# Altium PCB PROB_S7CAS_PCB.PcbDoc (part 1 of 6) (continued)
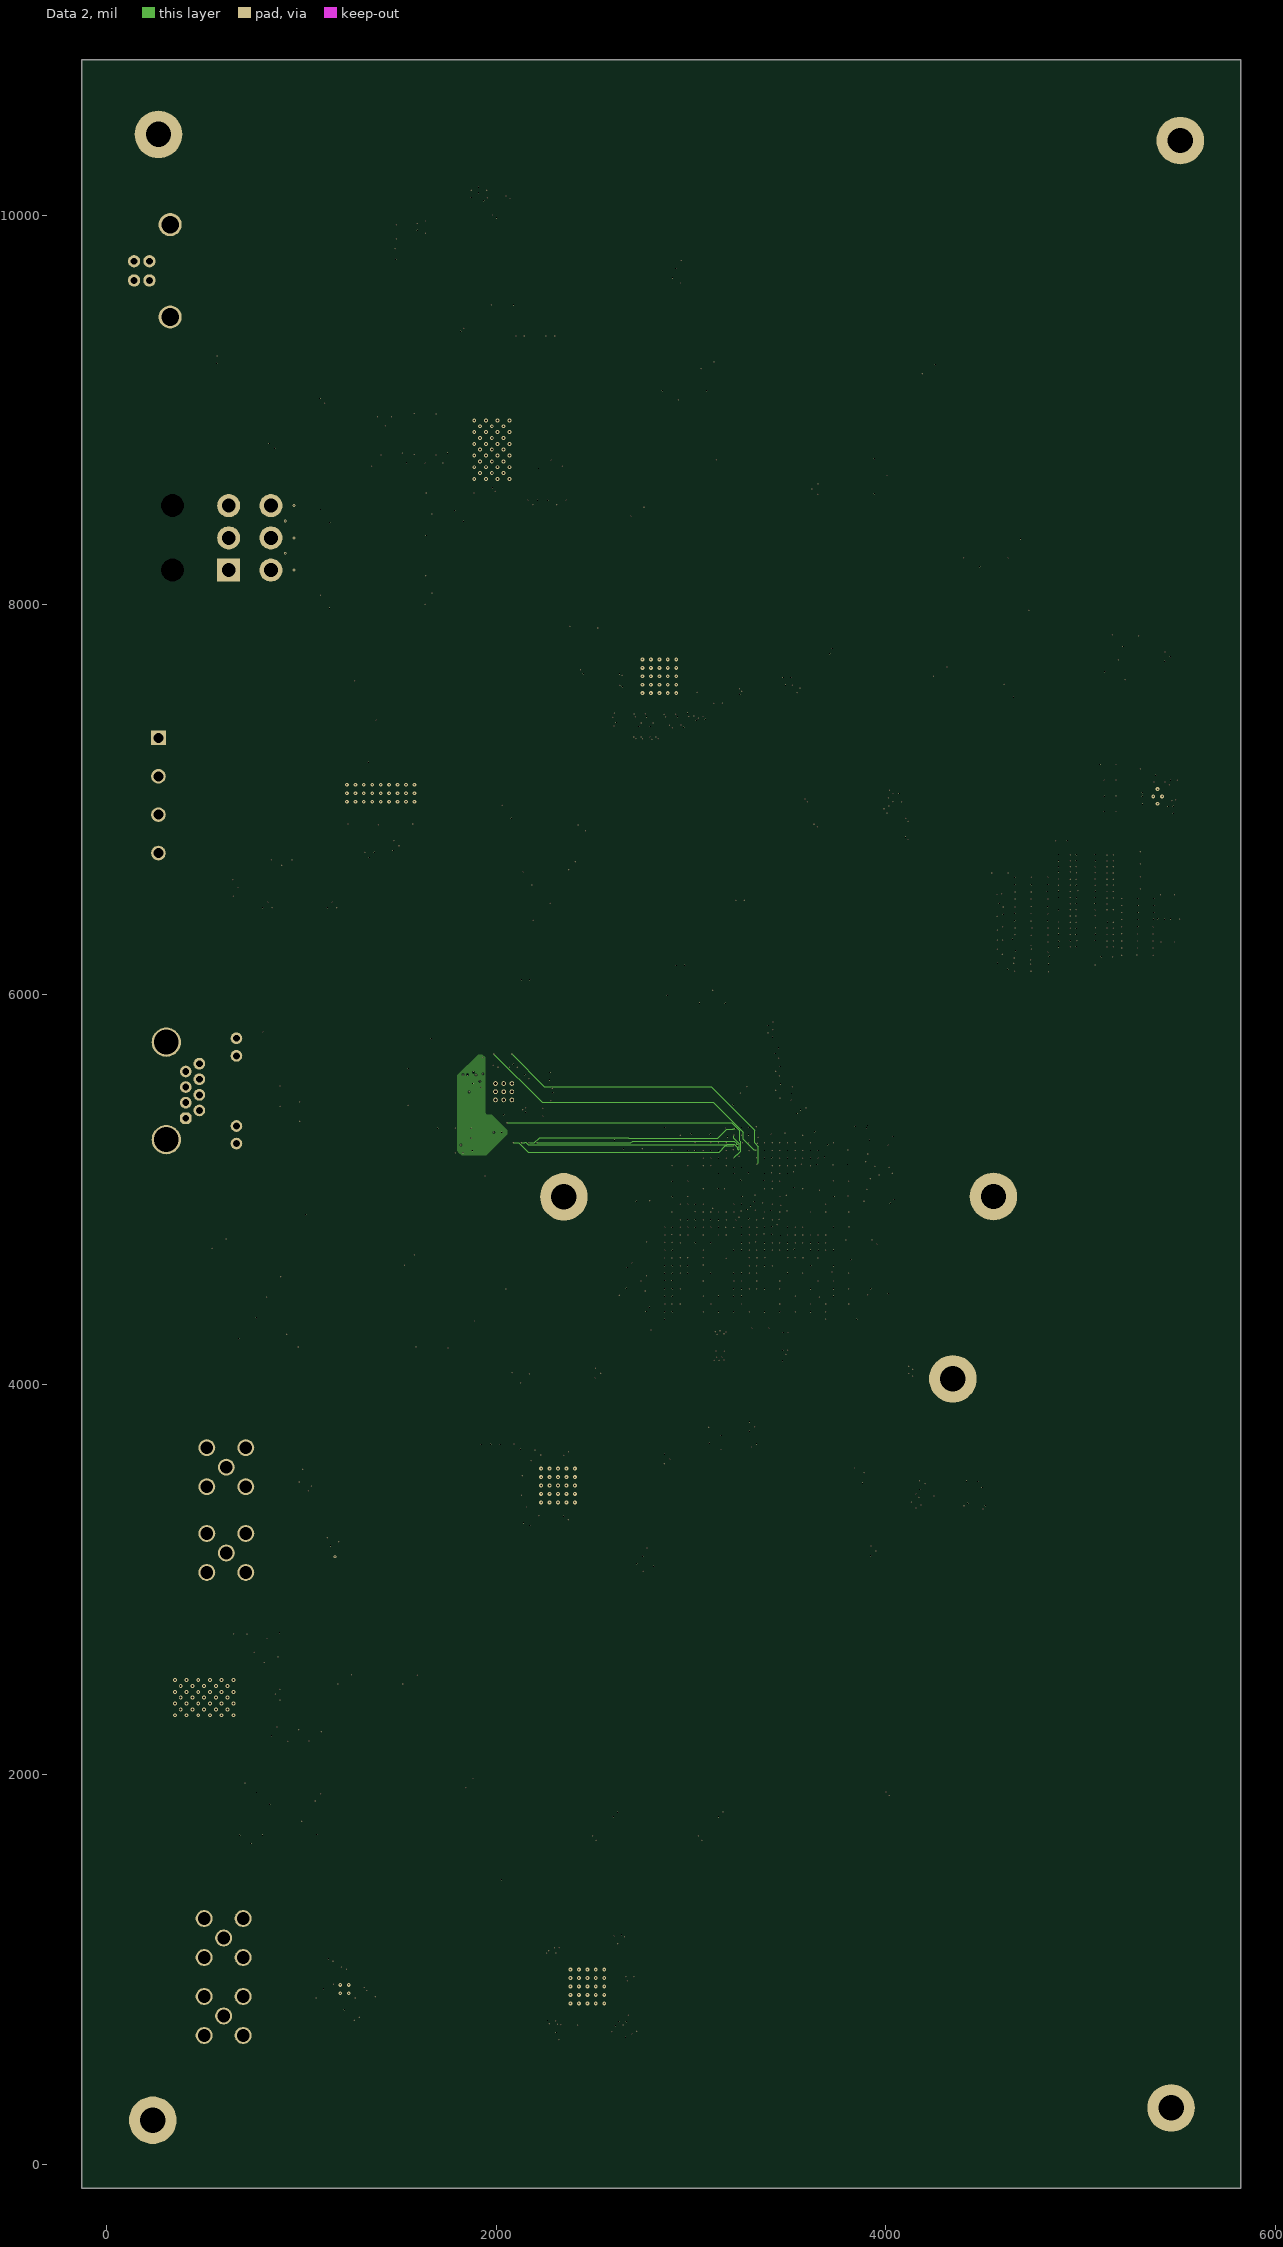
[diagram p5: Data 2]
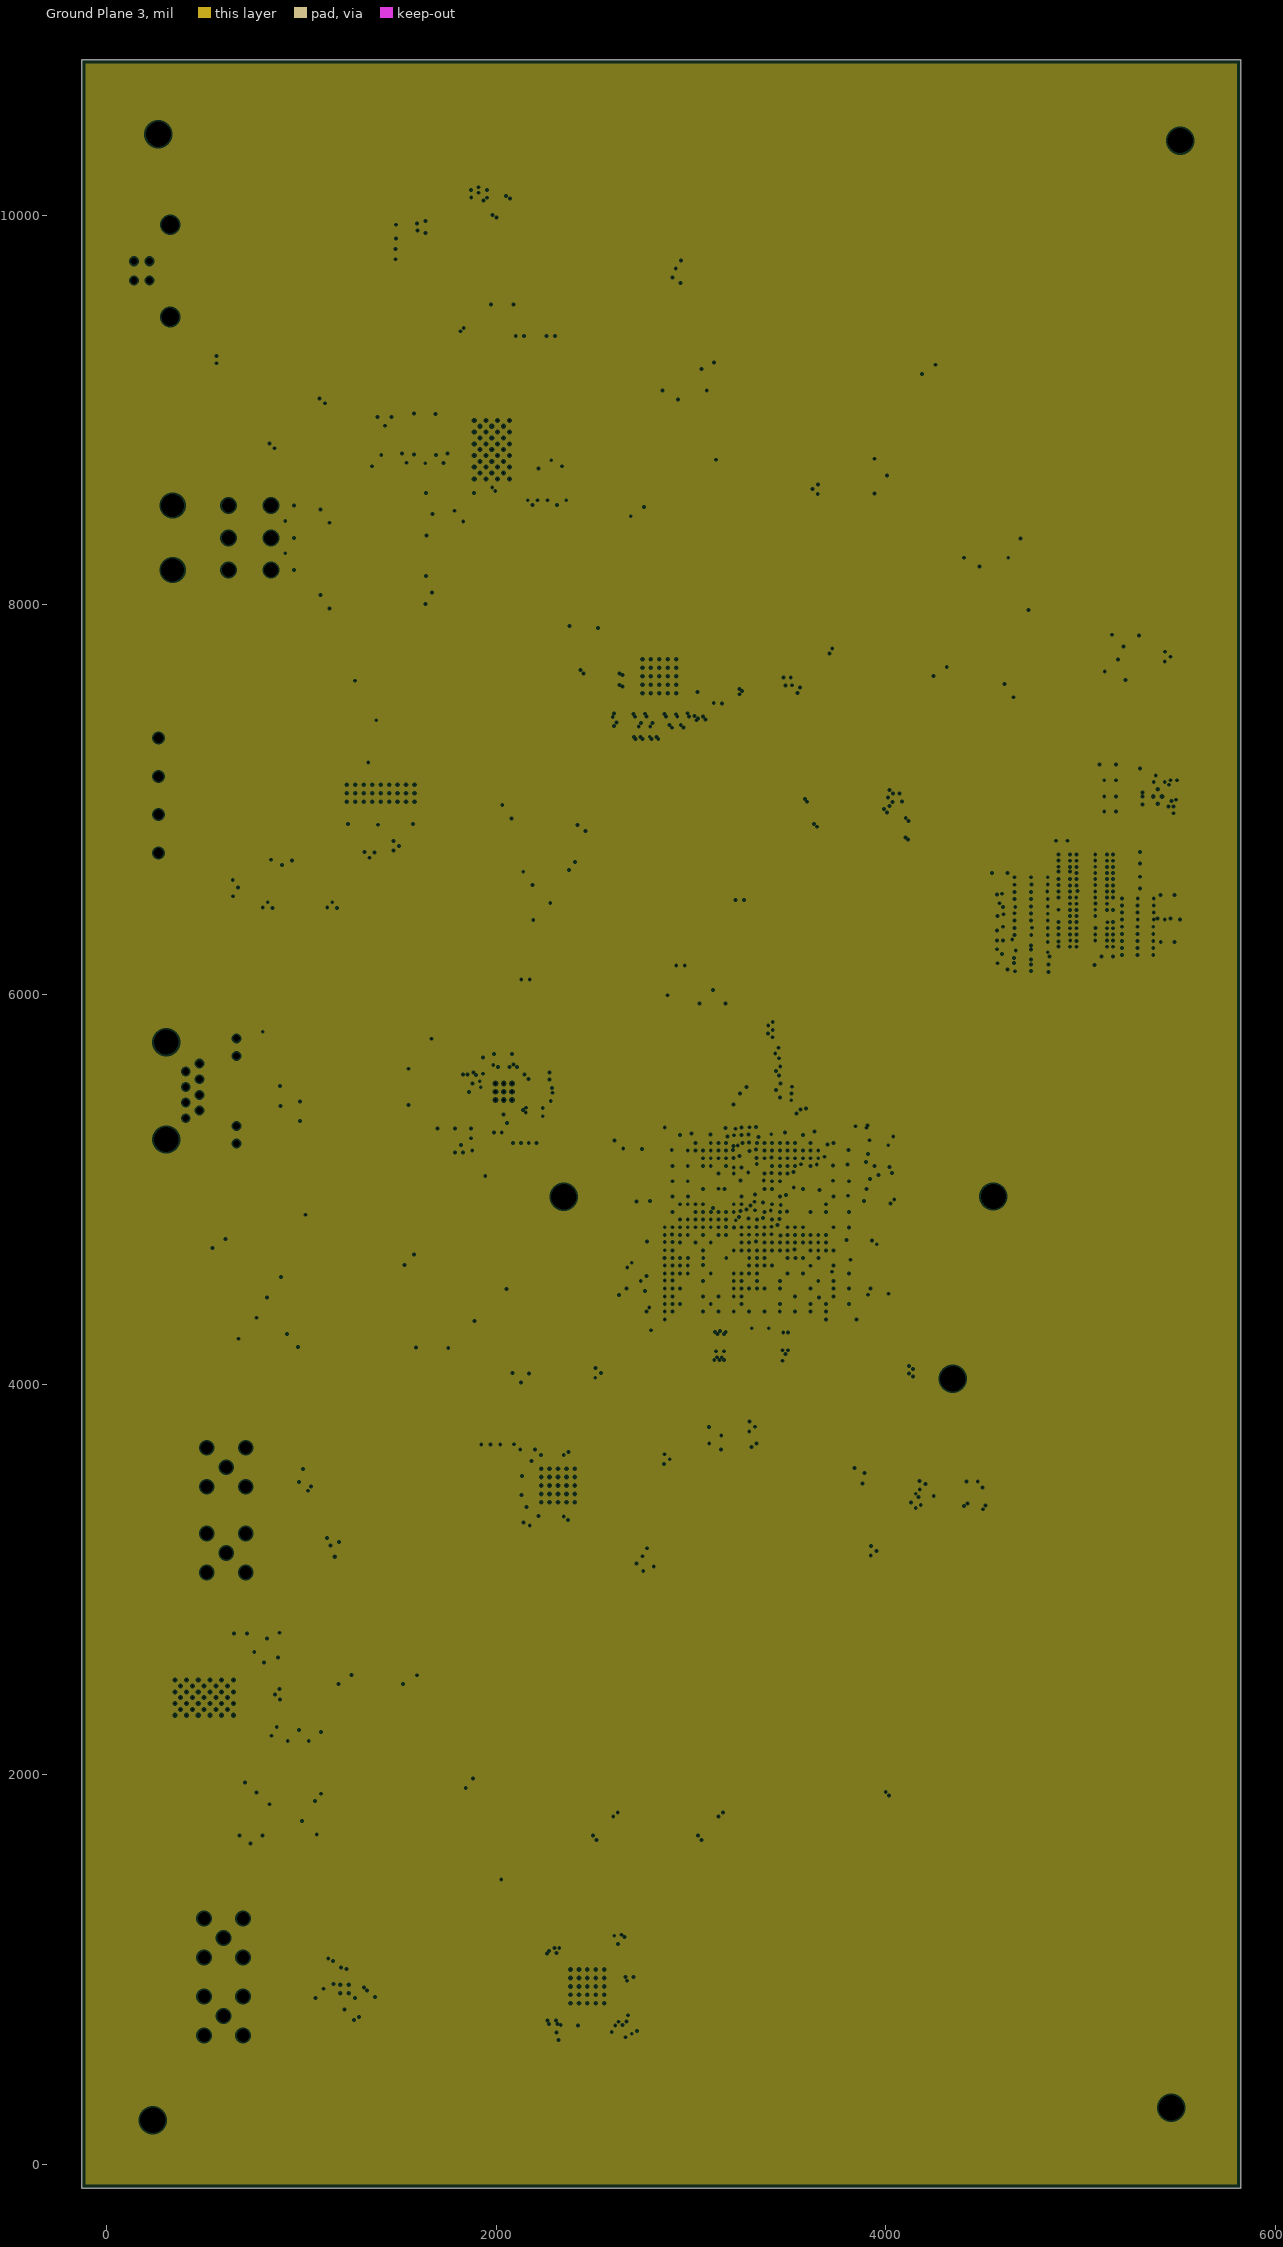
[diagram p6: Ground Plane 3, clearances drawn from the general rule]
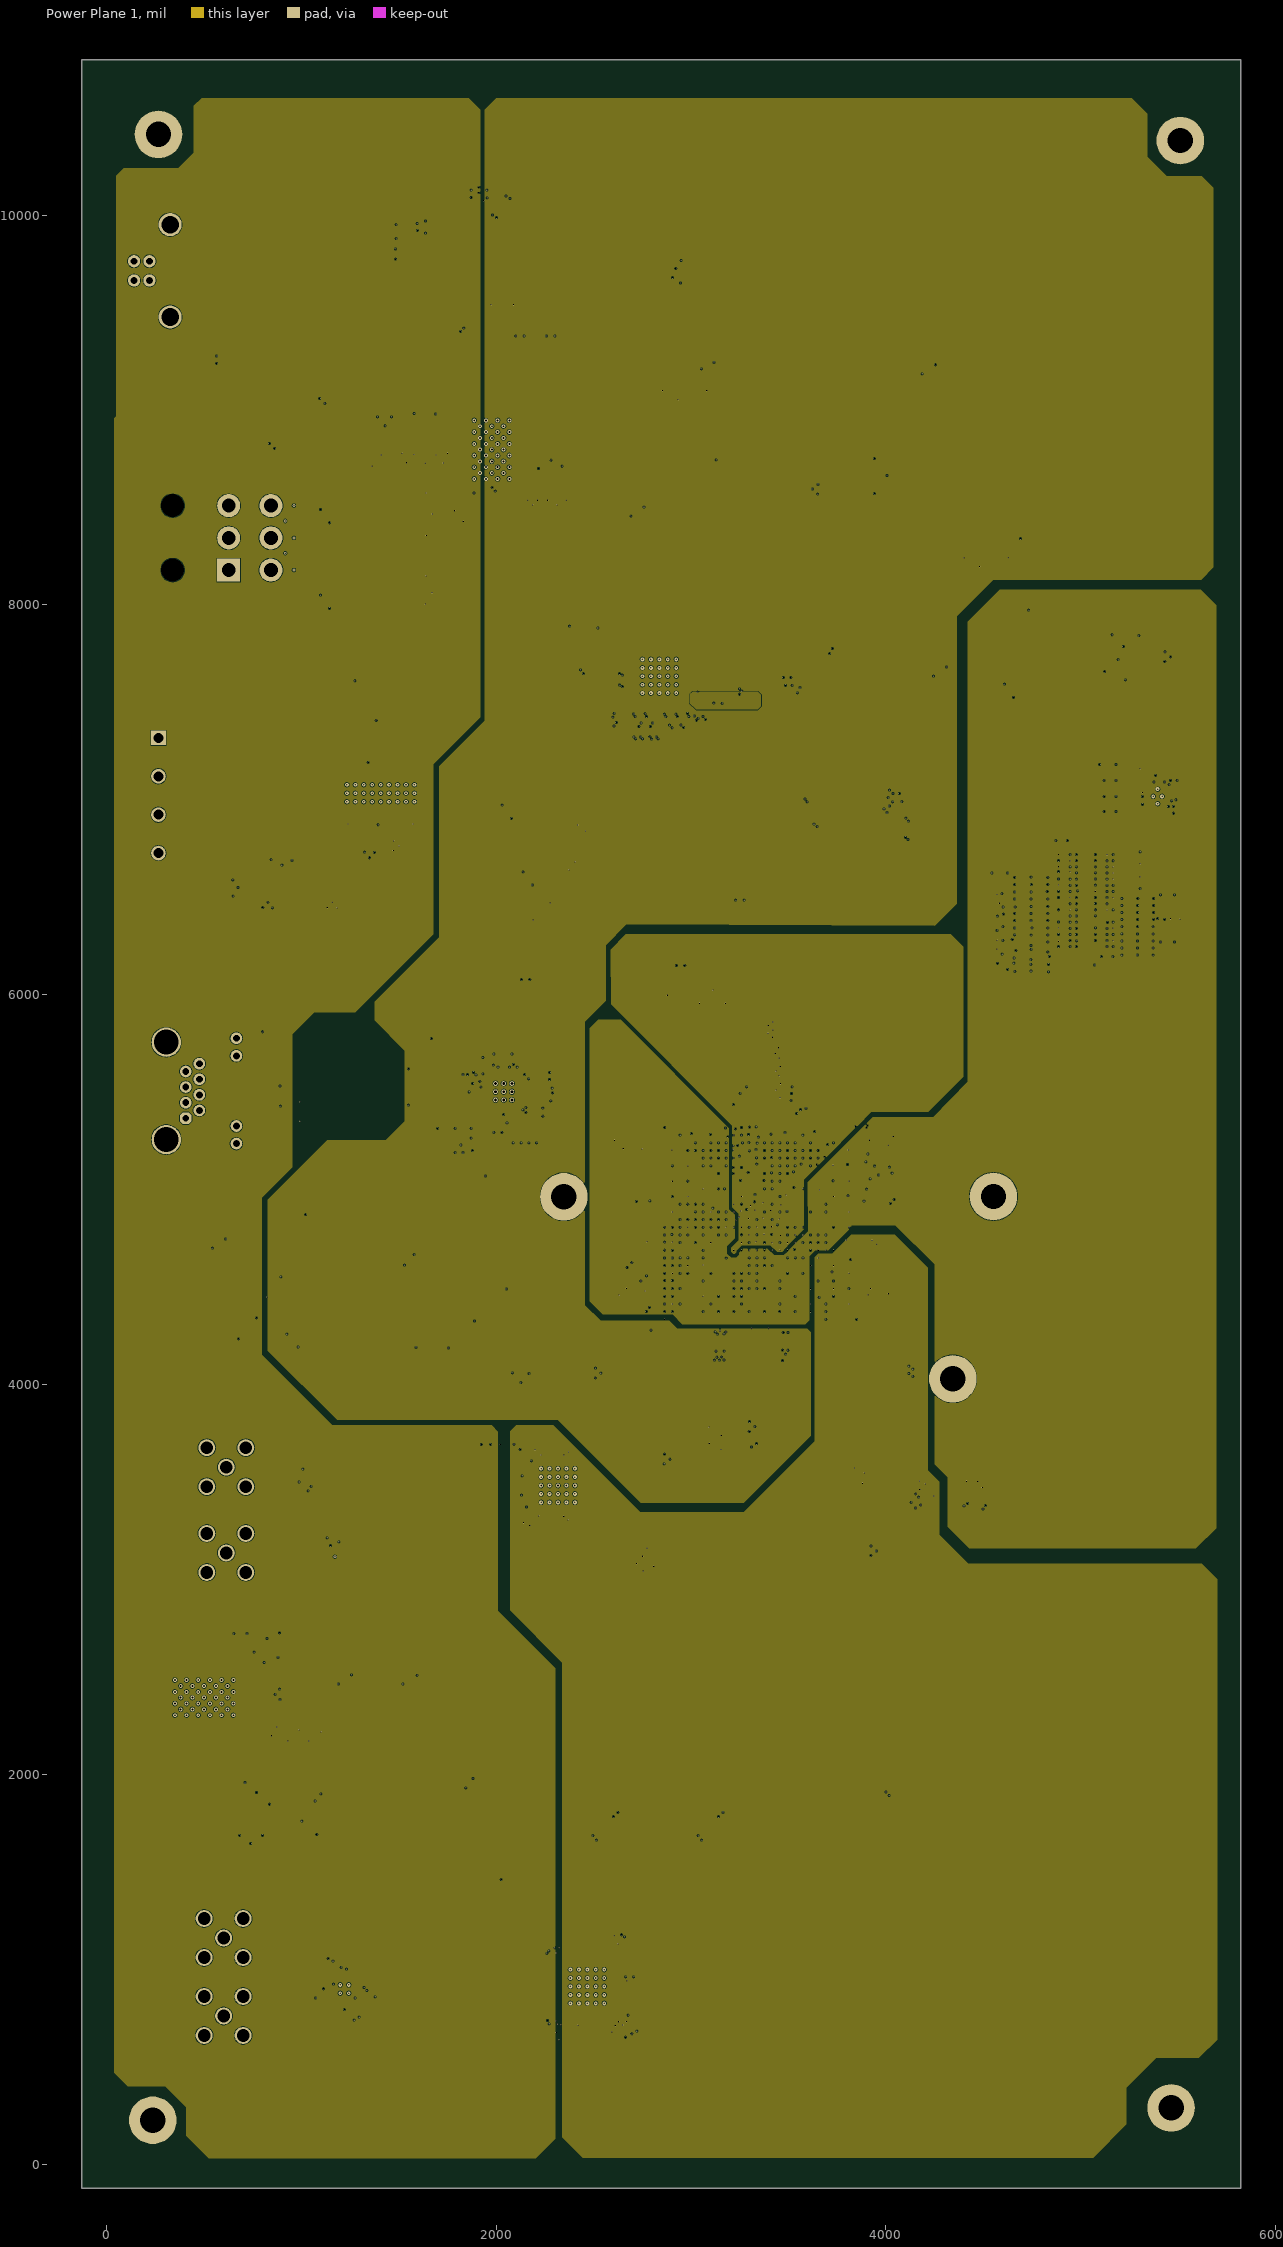
[diagram p7: Power Plane 1]
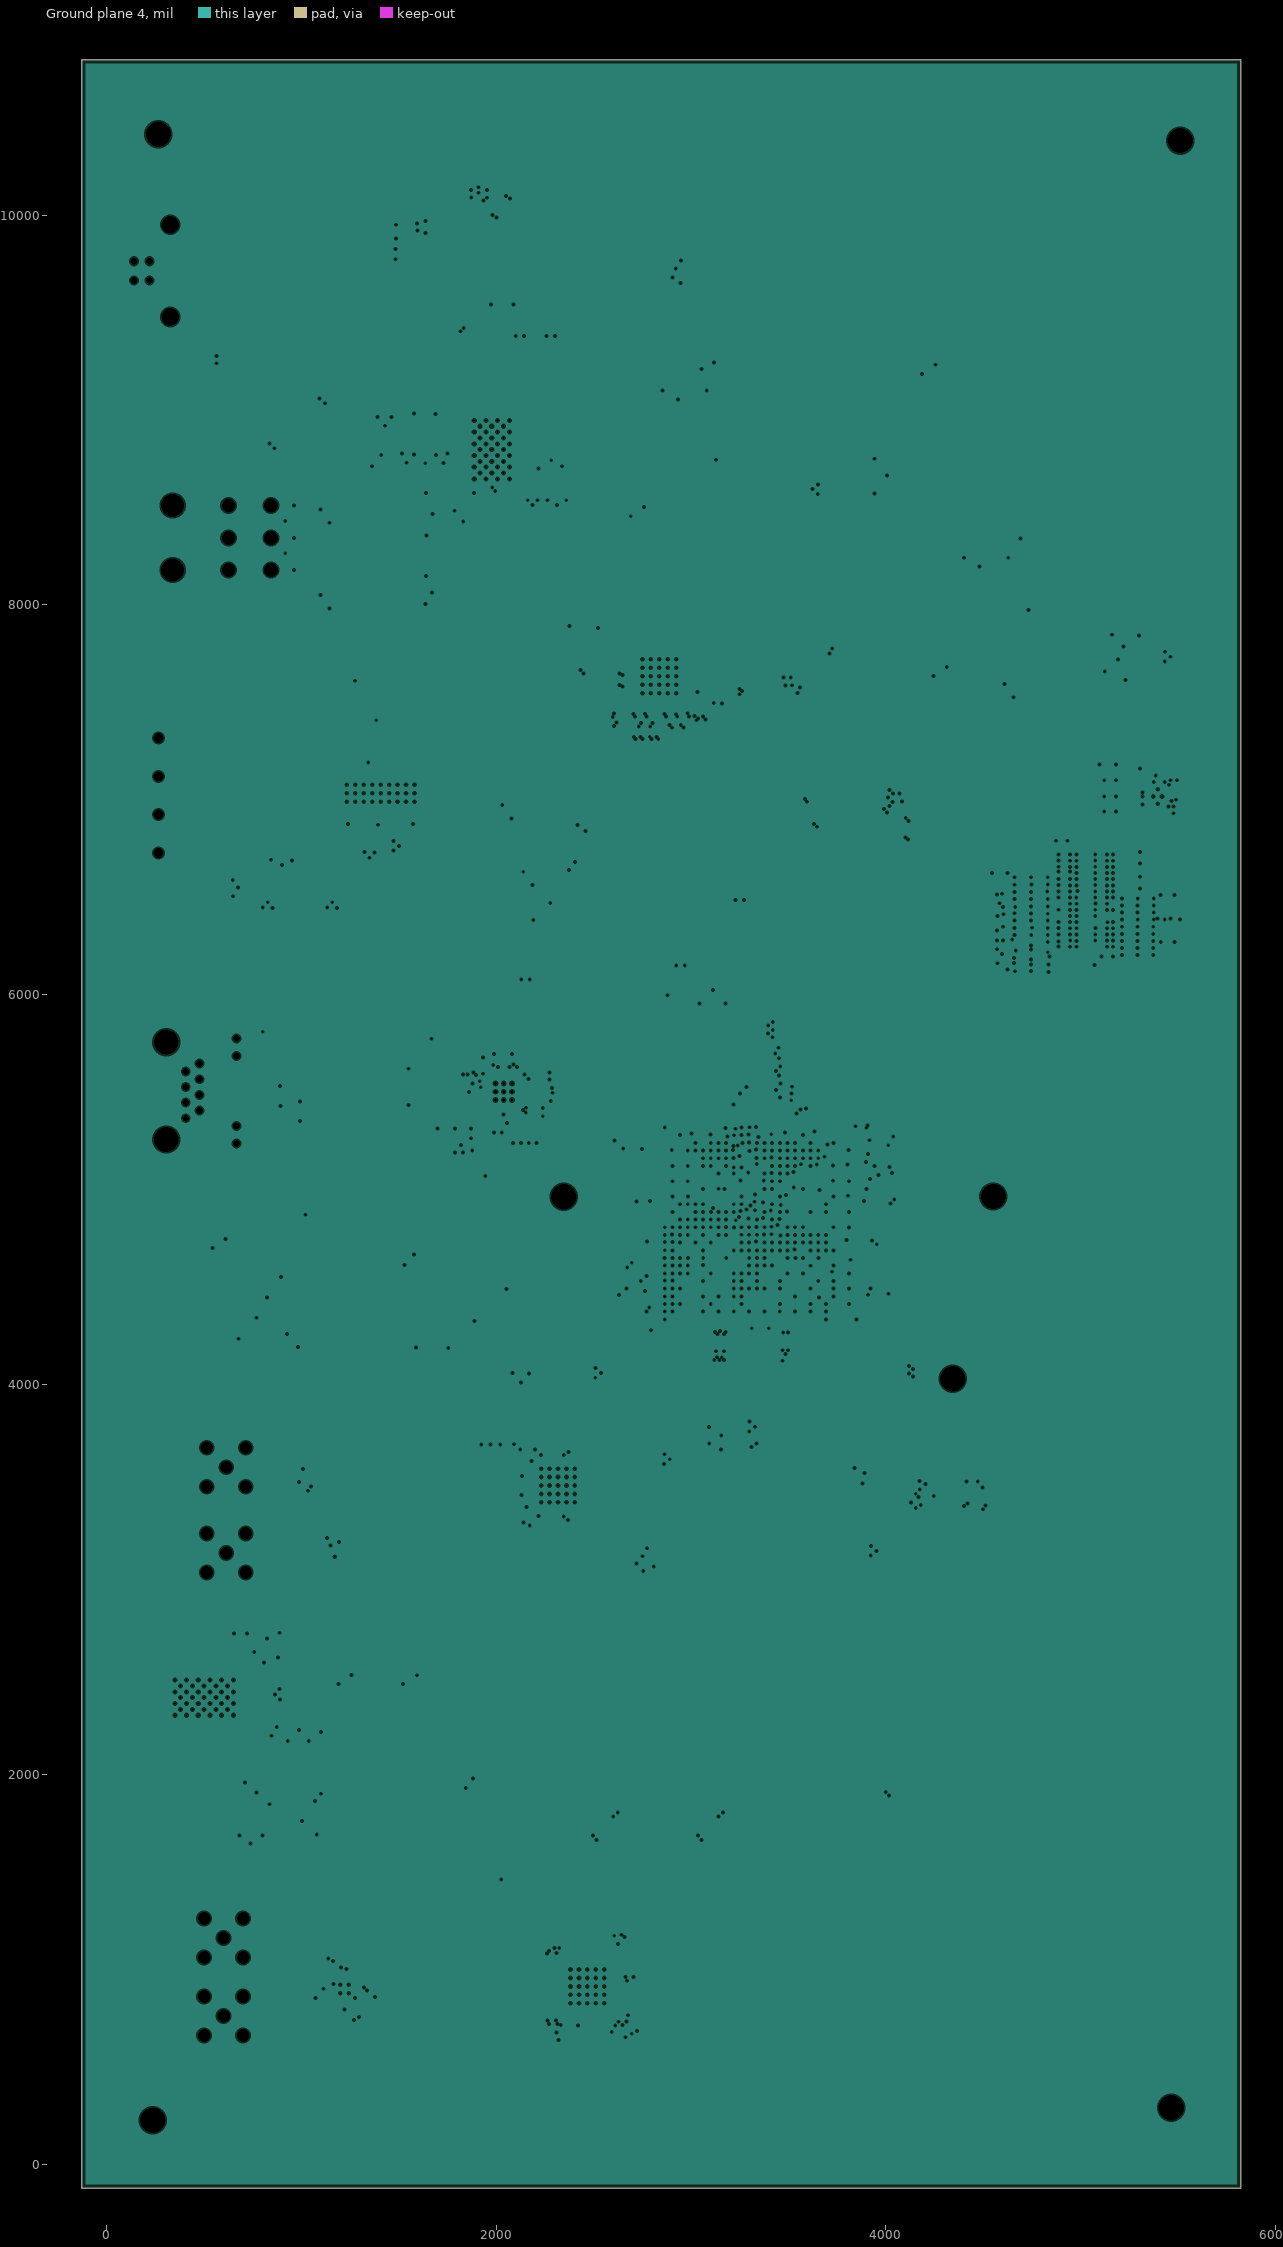
[diagram p8: Ground plane 4, clearances drawn from the general rule]
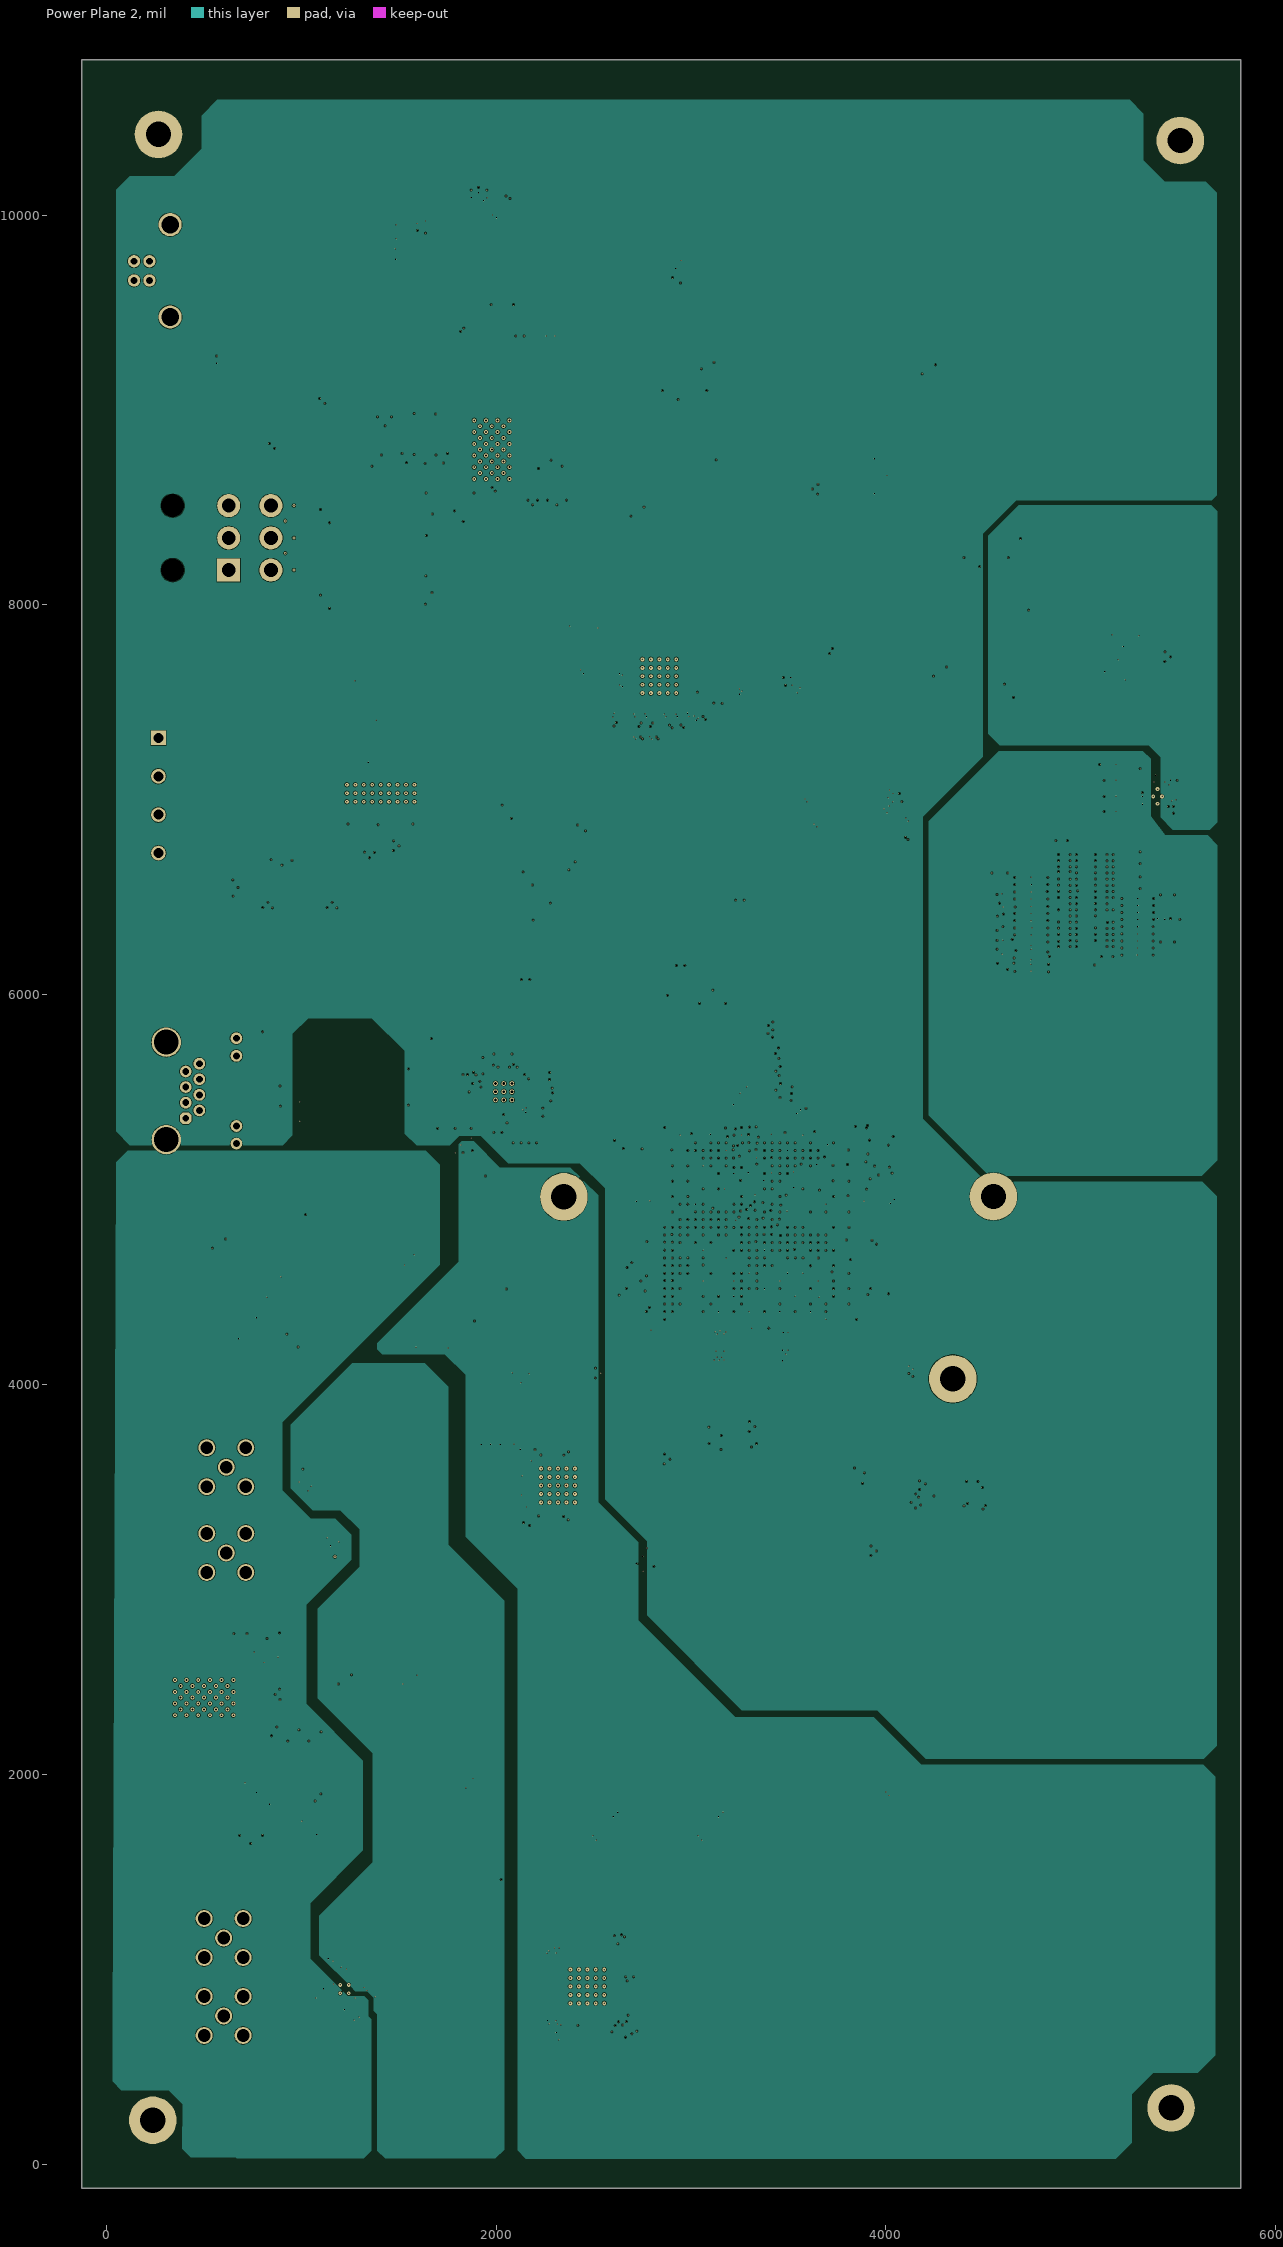
[diagram p9: Power Plane 2]
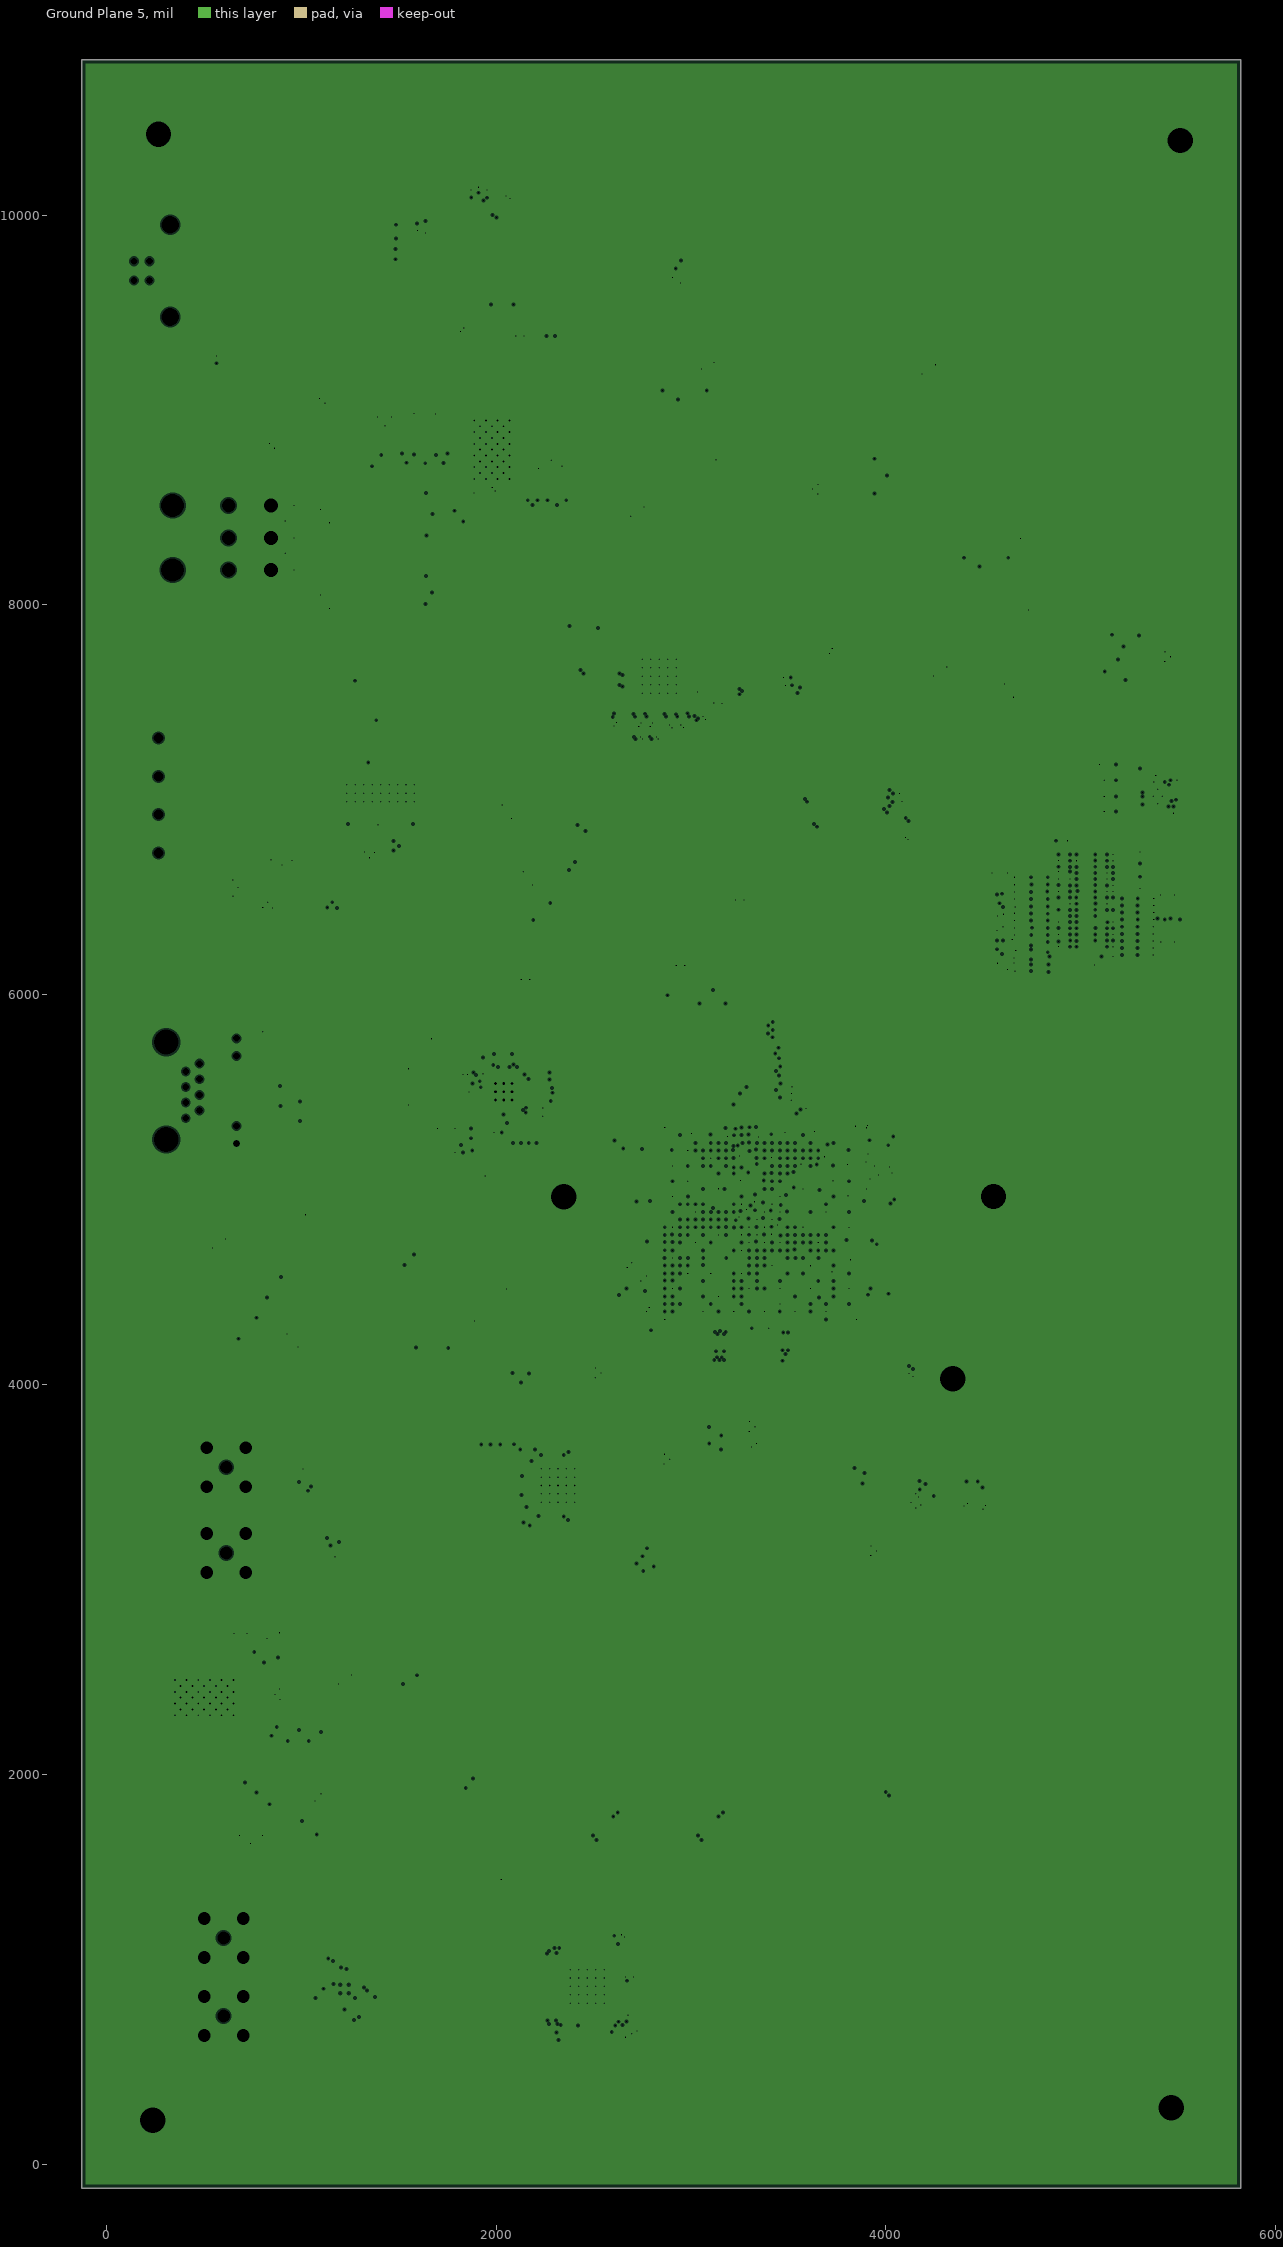
[diagram p10: Ground Plane 5, clearances drawn from the general rule]